# Altium PCB 电源模块.PcbDoc (part 3 of 3)
Units mil, origin at the board's own origin, x right, y up, seen from the top; angles counter-clockwise.
Board outline 3818.05 x 5303.04 mil, 4 copper layers (Top Layer, GND, POWER, Bottom Layer), stack 30.634 mil thick; 232 components, 142 nets, 800 pads, 621 vias.
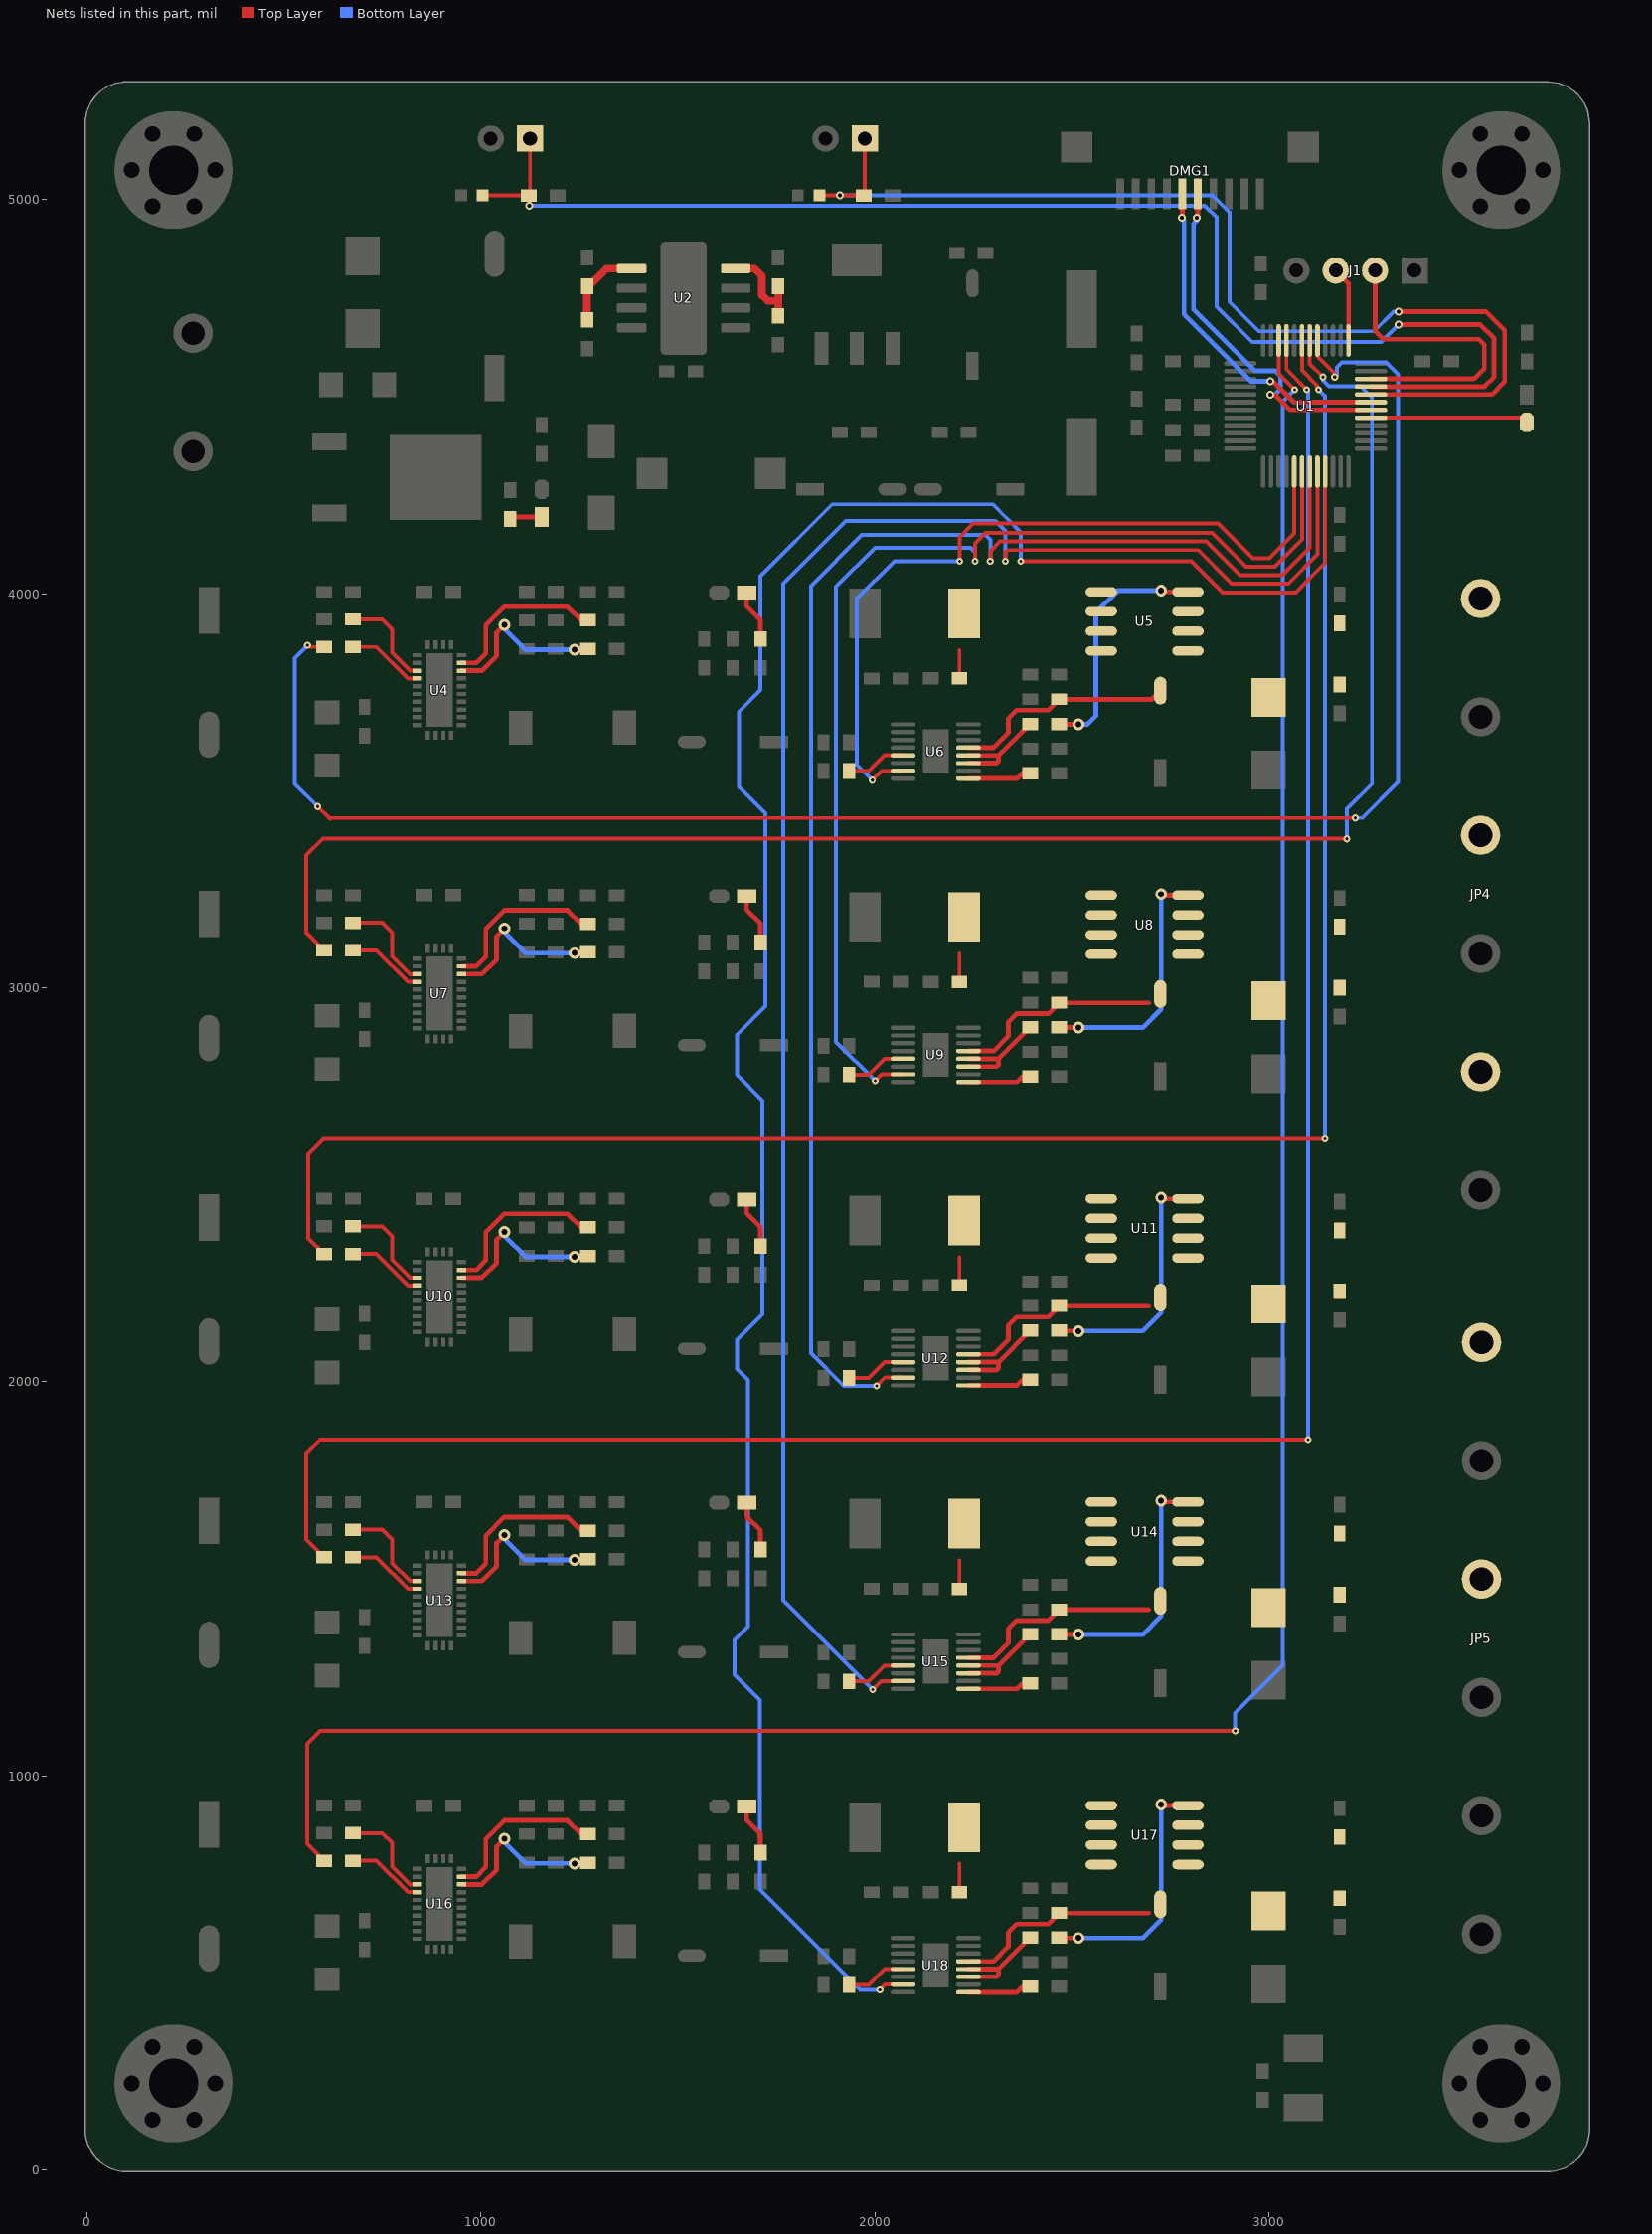
[diagram p5: the nets of this part, all layers, seen from the top]

## Via types
v1: diameter 40, hole 20, Top Layer to Bottom Layer, tented both sides, 472 vias
v2: diameter 30, hole 15, Top Layer to Bottom Layer, tented both sides, 84 vias
v3: diameter 18, hole 8, Top Layer to Bottom Layer, tented both sides, 32 vias
v4: diameter 24, hole 12, Top Layer to Bottom Layer, tented both sides, 20 vias
v5: diameter 20, hole 10, Top Layer to Bottom Layer, tented both sides, 13 vias

## Nets (pads, with @x,y where several pads share a name; then routed paths per layer and width w, separated by ;. In a path a pad name is that pad's centre, name@x,y a point inside that pad or via, vN(x,y) a via of type N, cw(c..) or ccw(c..) an arc to the next point about the centre after c; other vN are vias at no path point) (continued)
NetLED2_1: LED2.1 R5.1 | length 82.1
  Top Layer w12: R5.1@1075,4190 1080,4195 LED2.1@1155,4195
NetLED3_1: LED3.1 R11.1 | length 132.5
  Top Layer w12: LED3.1@1675,4003 1675,3968 1710,3933 R11.1@1710,3885
NetLED4_1: LED4.1 R24.1 | length 132.5
  Top Layer w12: LED4.1@1675,3233 1675,3198 1710,3163 R24.1@1710,3115
NetLED5_1: LED5.1 R37.1 | length 132.5
  Top Layer w12: LED5.1@1675,2463 1675,2428 1710,2393 R37.1@1710,2345
NetLED6_1: LED6.1 R50.1 | length 132.5
  Top Layer w12: LED6.1@1675,1693 1675,1658 1710,1623 R50.1@1710,1575
NetLED7_1: LED7.1 R63.1 | length 132.5
  Top Layer w12: LED7.1@1675,923 1675,888 1710,853 R63.1@1710,805
NetR4_1: R4.1 R8.2 U2.4 | length 245.2
  Top Layer w20: U2.4@1646.89,4825 1695,4825 1714,4806 1714,4758 1729,4743 1755,4743 ; R4.1@1755,4705 1755,4743 ; R8.2@1755,4780 1755,4743
NetR6_2: R6.2 R7.1 U2.5 | length 216.7
  Top Layer w20: R6.2@1270,4695 R7.1@1270,4780 1274,4780 1319,4825 U2.5@1383.11,4825
NetR9_1: R9.1 R13.1 U5.5 U5.6 U5.7 U5.8 | length 72
  Top Layer w10: R13.1@2215,3785 2215,3857
NetR10_1: R10.1 U4.4 | length 197.4
  Top Layer w10: R10.1@675,3865 735,3865 814.85,3785.15 U4.4@839.28,3785.15
NetR10_2: R10.2 U1.41 | length 4632.6
  Top Layer w10: v3(560,3869) 564,3865 R10.2@602,3865 ; v3(586,3460) 617,3429 619,3431 v3(3220,3431) ; U1.41@3123.74,4642.83 3123.74,4601.76 3136.01,4589.5 3136.1,4589.5 3167.5,4558.1 v3(3167.5,4550) v3@3167.5,4546.5
  Bottom Layer w10: v3(560,3869) 528,3837 528,3518 v3(586,3460) ; v3(3167.5,4550) 3172.96,4555.46 3172.54,4555.89 3172.54,4574.11 3185.42,4587 3298,4587 3328,4557 3328,3522 3237,3431 v3(3220,3431)
NetR14_1: R14.1 U5.4 | length 622.6
  Top Layer w12: R14.1@2468,3670 2469,3669 v2(2517,3669) ; v2(2727,4008) 2730,4005 U5.4@2795,4005
  Bottom Layer w12: v2(2517,3669) 2540,3669 2561,3690 2561,3952 2617,4008 v2(2727,4008)
NetR14_2: R14.2 U6.11 U6.12 | length 283.5
  Top Layer w12: U6.11@2237.83,3570.47 2309.47,3570.47 2314.16,3575.16 2314.16,3590.16 ; U6.12@2237.83,3590.16 2314.16,3590.16 ; R14.2@2395,3670 2394,3670 2314.16,3590.16
NetR15_2: R15.2 U4.22 | length 436
  Top Layer w12: U4.22@950.89,3804.84 1002.84,3804.84 1040,3842 1040,3901 v2(1060,3921) ; v2(1238,3858) 1240,3860 R15.2@1272,3860
  Bottom Layer w12: v2(1060,3921) 1060,3912 1114,3858 v2(1238,3858)
NetR16_2: R16.2 U4.23 | length 436
  Top Layer w12: U4.23@950.89,3824.52 988.52,3824.52 1013,3849 1013,3920 1060,3967 1220.13,3967 1254.63,3932.5 R16.2@1272,3932.5
NetR17_1: R17.1 U4.3 | length 253.3
  Top Layer w10: R17.1@675,3935 750,3935 775,3910 775,3850 820.16,3804.84 U4.3@839.28,3804.84
NetR20_2: R20.2 U6.5 | length 153.8
  Top Layer w10: R20.2@1935,3550 1985,3550 2025.16,3590.16 U6.5@2072.17,3590.16
NetR21_2: R21.2 U6.9 | length 162.9
  Top Layer w12: U6.9@2237.83,3531.1 2361.1,3531.1 2375,3545 R21.2@2395,3545
NetR22_1: R22.1 R26.1 U8.5 U8.6 U8.7 U8.8 | length 72
  Top Layer w10: R26.1@2215,3015 2215,3087
NetR23_1: R23.1 U7.4 | length 197.4
  Top Layer w10: R23.1@675,3095 735,3095 814.85,3015.15 U7.4@839.28,3015.15
NetR23_2: R23.2 U1.42 | length 4323.1
  Top Layer w10: R23.2@602,3095 557,3140 557,3337 599,3379 3197,3379 v3(3198,3378) ; U1.42@3104.06,4642.83 3104.06,4583.94 v3(3138,4550)
  Bottom Layer w10: v3(3138,4550) 3138,4542 3153,4527 3233,4527 3262,4498 3262,3518 3198,3454 v3(3198,3378)
NetR27_1: R27.1 U8.4 | length 640.1
  Top Layer w12: R27.1@2468,2900 2469,2899 v2(2517,2899) ; v2(2727,3238) 2730,3235 U8.4@2795,3235
  Bottom Layer w12: v2(2517,2899) 2680,2899 2727,2946 v2(2727,3238)
NetR27_2: R27.2 U9.11 U9.12 | length 283.5
  Top Layer w12: U9.11@2237.83,2800.47 2309.47,2800.47 2314.16,2805.16 2314.16,2820.16 ; U9.12@2237.83,2820.16 2314.16,2820.16 ; R27.2@2395,2900 2394,2900 2314.16,2820.16
NetR28_2: R28.2 U7.22 | length 436
  Top Layer w12: U7.22@950.89,3034.84 1002.84,3034.84 1040,3072 1040,3131 v2(1060,3151) ; v2(1238,3088) 1240,3090 R28.2@1272,3090
  Bottom Layer w12: v2(1060,3151) 1060,3142 1114,3088 v2(1238,3088)
NetR29_2: R29.2 U7.23 | length 436
  Top Layer w12: U7.23@950.89,3054.52 988.52,3054.52 1013,3079 1013,3150 1060,3197 1220.13,3197 1254.63,3162.5 R29.2@1272,3162.5
NetR30_1: R30.1 U7.3 | length 253.3
  Top Layer w10: R30.1@675,3165 750,3165 775,3140 775,3080 820.16,3034.84 U7.3@839.28,3034.84
NetR33_2: R33.2 U9.5 | length 153.8
  Top Layer w10: R33.2@1935,2780 1985,2780 2025.16,2820.16 U9.5@2072.17,2820.16
NetR34_2: R34.2 U9.9 | length 162.9
  Top Layer w12: U9.9@2237.83,2761.1 2361.1,2761.1 2375,2775 R34.2@2395,2775
NetR35_1: R35.1 R39.1 U11.5 U11.6 U11.7 U11.8 | length 72
  Top Layer w10: R39.1@2215,2245 2215,2317
NetR36_1: R36.1 U10.4 | length 197.4
  Top Layer w10: R36.1@675,2325 735,2325 814.85,2245.15 U10.4@839.28,2245.15
NetR36_2: R36.2 U1.43 | length 4918.8
  Top Layer w10: R36.2@602,2325 562,2365 562,2578 601,2617 v3(3143,2617) ; U1.43@3084.37,4642.83 3084.37,4566.63 3123,4528 3123,4519 v3@3126,4516
  Bottom Layer w10: v3(3126,4518) 3143,4501 v3(3143,2617)
NetR40_1: R40.1 U11.4 | length 640.1
  Top Layer w12: R40.1@2468,2130 2469,2129 v2(2517,2129) ; v2(2727,2468) 2730,2465 U11.4@2795,2465
  Bottom Layer w12: v2(2517,2129) 2680,2129 2727,2176 v2(2727,2468)
NetR40_2: R40.2 U12.11 U12.12 | length 283.5
  Top Layer w12: U12.11@2237.83,2030.47 2309.47,2030.47 2314.16,2035.16 2314.16,2050.16 ; U12.12@2237.83,2050.16 2314.16,2050.16 ; R40.2@2395,2130 2394,2130 2314.16,2050.16
NetR41_2: R41.2 U10.22 | length 436
  Top Layer w12: U10.22@950.89,2264.84 1002.84,2264.84 1040,2302 1040,2361 v2(1060,2381) ; v2(1238,2318) 1240,2320 R41.2@1272,2320
  Bottom Layer w12: v2(1060,2381) 1060,2372 1114,2318 v2(1238,2318)
NetR42_2: R42.2 U10.23 | length 436
  Top Layer w12: U10.23@950.89,2284.52 988.52,2284.52 1013,2309 1013,2380 1060,2427 1220.13,2427 1254.63,2392.5 R42.2@1272,2392.5
NetR43_1: R43.1 U10.3 | length 253.3
  Top Layer w10: R43.1@675,2395 750,2395 775,2370 775,2310 820.16,2264.84 U10.3@839.28,2264.84
NetR46_2: R46.2 U12.5 | length 153.8
  Top Layer w10: R46.2@1935,2010 1985,2010 2025.16,2050.16 U12.5@2072.17,2050.16
NetR47_2: R47.2 U12.9 | length 162.9
  Top Layer w12: U12.9@2237.83,1991.1 2361.1,1991.1 2375,2005 R47.2@2395,2005
NetR48_1: R48.1 R52.1 U14.5 U14.6 U14.7 U14.8 | length 72
  Top Layer w10: R52.1@2215,1475 2215,1547
NetR49_1: R49.1 U13.4 | length 197.4
  Top Layer w10: R49.1@675,1555 735,1555 814.85,1475.15 U13.4@839.28,1475.15
NetR49_2: R49.2 U1.45 | length 5651.3
  Top Layer w10: R49.2@602,1555 557,1600 557,1819 591.48,1853.48 v3(3099.48,1853.48) ; U1.45@3045,4642.83 3045,4569 v3(3096,4518)
  Bottom Layer w10: v3(3096,4518) 3099.48,4514.52 v3(3099.48,1853.48)
NetR53_1: R53.1 U14.4 | length 640.1
  Top Layer w12: R53.1@2468,1360 2469,1359 v2(2517,1359) ; v2(2727,1698) 2730,1695 U14.4@2795,1695
  Bottom Layer w12: v2(2517,1359) 2680,1359 2727,1406 v2(2727,1698)
NetR53_2: R53.2 U15.11 U15.12 | length 283.5
  Top Layer w12: U15.11@2237.83,1260.47 2309.47,1260.47 2314.16,1265.16 2314.16,1280.16 ; U15.12@2237.83,1280.16 2314.16,1280.16 ; R53.2@2395,1360 2394,1360 2314.16,1280.16
NetR54_2: R54.2 U13.22 | length 436
  Top Layer w12: U13.22@950.89,1494.84 1002.84,1494.84 1040,1532 1040,1591 v2(1060,1611) ; v2(1238,1548) 1240,1550 R54.2@1272,1550
  Bottom Layer w12: v2(1060,1611) 1060,1602 1114,1548 v2(1238,1548)
NetR55_2: R55.2 U13.23 | length 436
  Top Layer w12: U13.23@950.89,1514.52 988.52,1514.52 1013,1539 1013,1610 1060,1657 1220.13,1657 1254.63,1622.5 R55.2@1272,1622.5
NetR56_1: R56.1 U13.3 | length 253.3
  Top Layer w10: R56.1@675,1625 750,1625 775,1600 775,1540 820.16,1494.84 U13.3@839.28,1494.84
NetR59_2: R59.2 U15.5 | length 153.8
  Top Layer w10: R59.2@1935,1240 1985,1240 2025.16,1280.16 U15.5@2072.17,1280.16
NetR60_2: R60.2 U15.9 | length 162.9
  Top Layer w12: U15.9@2237.83,1221.1 2361.1,1221.1 2375,1235 R60.2@2395,1235
NetR61_1: R61.1 R65.1 U17.5 U17.6 U17.7 U17.8 | length 72
  Top Layer w10: R65.1@2215,705 2215,777
NetR62_1: R62.1 U16.4 | length 197.4
  Top Layer w10: R62.1@675,785 735,785 814.85,705.15 U16.4@839.28,705.15
NetR62_2: R62.2 U1.46 | length 6291.7
  Top Layer w10: R62.2@602,785 559,828 559,1081 592,1114 v3(2915,1114) ; U1.46@3025.32,4642.83 3025.32,4558.68 v3(3066,4518)
  Bottom Layer w10: v3(2915,1114) 2915,1160 3035.48,1280.48 3035.48,4487.48 v3(3066,4518)
NetR66_1: R66.1 U17.4 | length 640.1
  Top Layer w12: R66.1@2468,590 2469,589 v2(2517,589) ; v2(2727,928) 2730,925 U17.4@2795,925
  Bottom Layer w12: v2(2517,589) 2680,589 2727,636 v2(2727,928)
NetR66_2: R66.2 U18.11 U18.12 | length 283.5
  Top Layer w12: U18.11@2237.83,490.47 2309.47,490.47 2314.16,495.16 2314.16,510.16 ; U18.12@2237.83,510.16 2314.16,510.16 ; R66.2@2395,590 2394,590 2314.16,510.16
NetR67_2: R67.2 U16.22 | length 436
  Top Layer w12: U16.22@950.89,724.84 1002.84,724.84 1040,762 1040,821 v2(1060,841) ; v2(1238,778) 1240,780 R67.2@1272,780
  Bottom Layer w12: v2(1060,841) 1060,832 1114,778 v2(1238,778)
NetR68_2: R68.2 U16.23 | length 436
  Top Layer w12: U16.23@950.89,744.52 988.52,744.52 1013,769 1013,840 1060,887 1220.13,887 1254.63,852.5 R68.2@1272,852.5
NetR69_1: R69.1 U16.3 | length 253.3
  Top Layer w10: R69.1@675,855 750,855 775,830 775,770 820.16,724.84 U16.3@839.28,724.84
NetR72_2: R72.2 U18.5 | length 153.8
  Top Layer w10: R72.2@1935,470 1985,470 2025.16,510.16 U18.5@2072.17,510.16
NetR73_2: R73.2 U18.9 | length 162.9
  Top Layer w12: U18.9@2237.83,451.1 2361.1,451.1 2375,465 R73.2@2395,465
NetU1_17: U1.17 U6.7 | length 2008.8
  Top Layer w10: v3(1994,3527) 2017.79,3550.79 U6.7@2072.17,3550.79 ; v3(2215.75,4083) 2215.75,4143.75 2250,4178 2872,4178 2960,4090 3001.79,4090 3064.69,4152.9 U1.17@3064.69,4310
  Bottom Layer w10: v3(1994,3527) 1955,3566 1955,3988 2050,4083 v3(2215.75,4083)
NetU1_18: U1.18 U9.7 | length 2916.6
  Top Layer w10: v3(2001,2764) 2017.79,2780.79 U9.7@2072.17,2780.79 ; v3(2254.5,4083) 2254.5,4128.5 2281,4155 2856,4155 2942,4069 3015.72,4069 3084.37,4137.65 U1.18@3084.37,4310
  Bottom Layer w10: v3(2001,2764) 1902,2863 1902,4018 2001,4117 2243,4117 2254.5,4105.5 v3(2254.5,4083)
NetU1_19: U1.19 U12.7 | length 3895.6
  Top Layer w10: v3(2005,1990) 2025.79,2010.79 U12.7@2072.17,2010.79 ; v3(2293.25,4083) 2293.25,4108.25 2318,4133 2841,4133 2927,4047 3034,4047 3104.06,4117.06 U1.19@3104.06,4310
  Bottom Layer w10: v3(2005,1990) 1921,1990 1838,2073 1838,4020 1967,4149 2281,4149 2293.25,4136.75 v3(2293.25,4083)
NetU1_20: U1.20 U15.7 | length 4796.1
  Top Layer w10: v3(1995,1219) 2016.79,1240.79 U15.7@2072.17,1240.79 ; v3(2332,4083) 2332,4105 2338,4111 2821,4111 2906,4026 3050,4026 3123.74,4099.74 U1.20@3123.74,4310
  Bottom Layer w10: v3(1995,1219) 1768,1446 1768,4026 1927,4185 2306,4185 2332,4159 v3(2332,4083)
NetU1_21: U1.21 U18.7 | length 5902.1
  Top Layer w10: v3(2013,457) 2026.79,470.79 U18.7@2072.17,470.79 ; v3(2370.75,4083) 2803,4083 2883,4003 3068,4003 3143.43,4078.43 U1.21@3143.43,4310
  Bottom Layer w10: v3(2013,457) 1963,457 1708,712 1708,1192.85 1644,1256.85 1644,1345 1678,1379 1678,2005 1650,2033 1650,2107.15 1714.85,2172 1714.85,2714.15 1650,2779 1650,2881 1722,2953 1722,3443 1655,3510 1655,3701 1710,3756 1710,4045 1892,4227 2299.6,4227 2333.6,4193 2334,4193 2370.75,4156.25 v3(2370.75,4083)
POWER1: C25.2 C26.2 C28.1 D4.2 JP4.1 R12.2 U5.1 U5.2 U5.3 U6.13 | length 568.1
  Top Layer w12: U6.13@2237.83,3609.84 2301.84,3609.84 2339,3647 2339,3683 2360.5,3704.5 2440.5,3704.5 2468,3732 2702.67,3732 C25.2@2725,3754.33
POWER2: C42.2 C43.2 C45.1 D5.2 JP4.3 R25.2 U8.1 U8.2 U8.3 U9.13 | length 529.7
  Top Layer w12: U9.13@2237.83,2839.84 2301.84,2839.84 2339,2877 2339,2913 2360.5,2934.5 2440.5,2934.5 2468,2962 2695.84,2962
POWER3: C59.2 C60.2 C62.1 D6.2 JP4.5 R38.2 U11.1 U11.2 U11.3 U12.13 | length 529.7
  Top Layer w12: U12.13@2237.83,2069.84 2301.84,2069.84 2339,2107 2339,2143 2360.5,2164.5 2440.5,2164.5 2468,2192 2695.84,2192
POWER4: C76.2 C77.2 C79.1 D7.2 JP5.1 R51.2 U14.1 U14.2 U14.3 U15.13 | length 529.7
  Top Layer w12: U15.13@2237.83,1299.84 2301.84,1299.84 2339,1337 2339,1373 2360.5,1394.5 2440.5,1394.5 2468,1422 2695.84,1422
POWER5: C93.2 C94.2 C96.1 D8.2 JP5.3 R64.2 U17.1 U17.2 U17.3 U18.13 | length 529.7
  Top Layer w12: U18.13@2237.83,529.84 2301.84,529.84 2339,567 2339,603 2360.5,624.5 2440.5,624.5 2468,652 2695.84,652
RUN_LED: LED1.2 U1.29 | length 400.3
  Top Layer w10: U1.29@3259.63,4446.89 3643.11,4446.89 LED1.2@3655,4435
RXD4: DMG1.6 U1.31 | length 876.1
  Top Layer w12: v5(2779,4954) 2780.63,4955.63 DMG1.6@2780.63,5015 ; v5(3004,4539) 3011,4539 3063.74,4486.26 U1.31@3259.63,4486.26
  Bottom Layer w12: v5(2779,4954) 2785,4948 2785,4709 2955,4539 v5(3004,4539)
SW1: D1.2 JP1.1 R1.2 U1.32 | length 2741.8
  Top Layer w10: D1.2@1860,5011 v5(1912,5011) 1971,5011 R1.2@1972,5010 1975,5013 JP1.1@1975,5155
  Top Layer w12: U1.32@3259.63,4505.94 3566.94,4505.94 3599,4538 3599,4668 3551,4716 v5@3332,4716
  Bottom Layer w10: v5(1912,5011) 2857,5011 2900,4968 2900,4741 2975,4666 3267,4666 3317,4716 v5(3329,4716)
SW2: D9.2 JP3.1 R74.2 U1.33 | length 3467
  Top Layer w10: D9.2@1005,5011 1121,5011 R74.2@1122,5010 ; v5(1123,4985) 1123,5009 R74.2@1122,5010 ; JP3.1@1125,5155 1125,5013 R74.2@1122,5010
  Top Layer w12: U1.33@3259.63,4525.63 3547.63,4525.63 3572,4550 3572,4648 3537,4683 v5(3329,4683)
  Bottom Layer w10: v5(1123,4985) 2838,4985 2868,4955 2868,4729 2958,4639 3285,4639 v5(3329,4683)
SWCLK: J1.3 U1.37 | length 190.6
  Top Layer w12: J1.3@3170,4820 3202.48,4787.52 U1.37@3202.48,4642.83
SWDIO: J1.2 U1.34 | length 802.9
  Top Layer w12: U1.34@3259.63,4545.31 3520.31,4545.31 3547,4572 3547,4632 3533,4646 3291,4646 3270,4667 J1.2@3270,4820
TXD4: DMG1.5 U1.30 | length 918.3
  Top Layer w12: v5(2817,4954) 2820,4957 DMG1.5@2820,5015 ; v5(3004,4505) 3016,4505 3054.43,4466.57 U1.30@3259.63,4466.57
  Bottom Layer w12: v5@2817,4947 2809,4939 2809,4721 2964,4566 3016,4566 3030,4552 3030,4520 3015,4505 v5(3004,4505)
pads on no net: DMG1.4 DMG1.7 U1.2 U1.3 U1.4 U1.10 U1.11 U1.22 U1.25 U1.26 U1.27 U1.28 U1.38 U1.39 U1.40 U2.2 U2.3

## Polygon pours and split planes (outlines as drawn)
GND on Top Layer "Top Layer-No Net" (solid, remove dead copper, pour order 178): -4.01,94 -4.01,99.97 cw(c101.5,101.5) -4.01,103.03 -4.01,5204 cw(c0,5204) -3.24,5206.37 cw(c101.5,5193.5) 89.83,5298.38 cw(c92,5295) 92,5299.01 99.97,5299.01 cw(c101.5,5193.5) 103.03,5299.01 cw(c101.58,5193.45) 103.06,5299.01 103.03,5299.01 3710,5299.01 cw(c3710,5295) 3710.06,5299.01 cw(c3708.5,5193.5) 3814.03,5193.5 cw(c3708.5,5193.5) 3814.01,5191.97 cw(c3708.45,5193.42) 3814.01,5191.94 3814.01,5192 3814.01,100 cw(c3810,100) 3814.01,99.94 cw(c3708.5,101.5) 3706.97,-4.01 cw(c3708.42,101.55) 3706.94,-4.01 3706.97,-4.01 93,-4.01 cw(c93,0) 91.05,-3.51 cw(c101.5,101.5) -3.62,92.27 cw(c0,94)
GND on Top Layer "Top Layer-No Net" (solid, remove dead copper, pour order 172): 3208,530 2591,530 2578,517 2578,465 2578,257 2603,232 2604,231 2820,231 3335,231 3390,286
GND on Top Layer "Top Layer-No Net" (solid, remove dead copper, pour order 170): 3496,993 3665,993 3678,980 3678,887 3678,479 3658,459 3645,446 3565,446 3454,446 3437,446 3418,427 3390,399 3390,285 3376,271 3184,271 3183,272 3169,286 3169,316 3169,505 3211,547 3295,631 3378,631 3417,670 3486,739 3486,830 3486,983 3497,994
3.3V on Top Layer "Top Layer-No Net" (solid, remove dead copper, pour order 168): 1865,4945 2078,4945 2088,4935 2088,4835 2092,4831 2094,4829 2164,4829 2224,4829 2239,4844 2239,4946 2249,4956 2306,4956 2358,4956 2368,4946 2368,4939 2368,4721 2355,4708 2353,4706 2319,4706 2018,4706 1988,4676 1988,4647 1988,4569 1983,4564 1981,4562 1952,4562 1926,4562 1919,4569 1919,4581 1919,4685 1901,4703 1842,4762 1842,4846 1842,4933 1854,4945
+5V on Top Layer "Top Layer-No Net" (solid, remove dead copper, pour order 166): 1665,4410 1778,4410 1785,4403 1788,4400 1788,4375 1788,4208 1799,4197 1800,4196 1834,4196 1935,4196 1948,4209 1948,4466 2002,4520 2002,4594 2002,4676 2011,4685 2013,4687 2039,4687 2075.83,4687 2086.89,4675.94 2091,4671.83 2091,4640 2091,4564 2201,4454 2201,4350 2201,4114 2187,4100 2179,4092 2140,4092 1656,4092 1644,4104 1643,4105 1643,4119 1643,4395 1658,4410
NetC9_2 on Top Layer "Top Layer-No Net" (solid, remove dead copper, pour order 164): 1436.26,4694.74 1336,4695 1335,4694 1335,4674 1335,4572 1328,4565 1238,4475 1238,4425 1238,4292 1249,4281 1326,4281 1370,4281 1378,4273 1378,4249 1385,4242 1426,4242 1497,4242 1497,4596 1486,4596 1454,4596 1444,4606 1436.26,4613.74 1436.26,4641.73
POWER5 on Top Layer "Top Layer-No Net" (solid, remove dead copper, pour order 162): 3221,872 3231,882 3231,925 3231,1328 3316,1413 3511,1608 3594,1608 3630,1572 3630,1427 3630,1420 3507,1297 3481,1271 3467,1257 3467,1210 3467,751 3372,656 3241.46,656
POWER4 on Top Layer "Top Layer-No Net" (solid, remove dead copper, pour order 158): 3224,1641 3236,1653 3236,1720 3236,2135 3247,2146 3352,2146 3387,2181 3431,2225 3548,2225 3609,2225 3626,2208 3627,2207 3627,2100 3627,1982 3608,1963 3607,1962 3590,1962 3467,1962 3451,1946 3451,1895 3451,1589 3401,1539 3287,1425 3223,1425
POWER3 on Top Layer "Top Layer-No Net" (solid, remove dead copper, pour order 156): 3223,2412 3234,2423 3234,2447 3234,2877 3245,2888 3276,2888 3613,2888 3626,2875 3626,2782 3626,2665 3614,2653 3594,2653 3478,2653 3462,2637 3461,2636 3461,2600 3461,2309 3347,2195 3210.57,2195 3206.02,2199.54
GND on Top Layer "Top Layer-No Net" (solid, remove dead copper, pour order 154): 166,4464 343,4464 354,4453 396,4411 398,4411 659,4411 662,4408 663,4407 663,4393 663,4179 660,4176 659,4175 644,4175 178,4175 166,4187 166,4223 166,4452 178,4464
POWER2 on Top Layer "Top Layer-No Net" (solid, remove dead copper, pour order 152): 3232,3182 3254,3204 3254,3303 3254,3505 3283,3534 3337,3534 3610,3534 3628,3516 3628,3479 3628,3269 3612,3253 3602,3253 3482,3253 3468,3239 3467,3238 3467,3116 3467,2996 3451,2980 3437,2966 3241.46,2966
POWER5 on Top Layer "Top Layer-No Net" (solid, remove dead copper, pour order 150): 2709,901 3128,901 3157,872 3202,872 3244,872 3245,656 3169,656 3138,656 3097,615 3056,574 2941,574 2680,574 2659,595 2659,680 2659,885 2674,900
POWER4 on Top Layer "Top Layer-No Net" (solid, remove dead copper, pour order 148): 2709,1671 3128,1671 3157,1642 3202,1642 3244,1642 3245,1426 3169,1426 3138,1426 3097,1385 3056,1344 2941,1344 2680,1344 2659,1365 2659,1450 2659,1655 2674,1670
POWER3 on Top Layer "Top Layer-No Net" (solid, remove dead copper, pour order 146): 2709,2441 3128,2441 3157,2412 3202,2412 3244,2412 3245,2196 3169,2196 3138,2196 3097,2155 3056,2114 2941,2114 2680,2114 2659,2135 2659,2220 2659,2425 2674,2440
POWER2 on Top Layer "Top Layer-No Net" (solid, remove dead copper, pour order 138): 2709,3211 3128,3211 3157,3182 3202,3182 3244,3182 3245,2966 3169,2966 3138,2966 3097,2925 3056,2884 2941,2884 2680,2884 2659,2905 2659,2990 2659,3195 2674,3210
GND on Top Layer "Top Layer-No Net" (solid, remove dead copper, pour order 136): 825,1560.48 825,1625 830,1630 930,1630 935,1625 935,1595 935,1560.48
GND on Top Layer "Top Layer-No Net" (solid, remove dead copper, pour order 134): 828,1402 808,1402 802,1396 793,1387 793,1362 793,1274 801,1266 830,1266 922,1266 930,1274 930,1279 930,1397 927,1402
GND on Top Layer "Top Layer-No Net" (solid, remove dead copper, pour order 132): 825,790.48 825,855 830,860 930,860 935,855 935,825 935,790.48
GND on Top Layer "Top Layer-No Net" (solid, remove dead copper, pour order 130): 828,632 808,632 802,626 793,617 793,592 793,504 801,496 830,496 922,496 930,504 930,509 930,627 927,632
GND on Top Layer "Top Layer-No Net" (solid, remove dead copper, pour order 128): 825,2330.48 825,2395 830,2400 930,2400 935,2395 935,2365 935,2330.48
GND on Top Layer "Top Layer-No Net" (solid, remove dead copper, pour order 126): 828,2172 808,2172 802,2166 793,2157 793,2132 793,2044 801,2036 830,2036 922,2036 930,2044 930,2049 930,2167 927,2172
GND on Top Layer "Top Layer-No Net" (solid, remove dead copper, pour order 124): 825,3100.48 825,3165 830,3170 930,3170 935,3165 935,3135 935,3100.48
GND on Top Layer "Top Layer-No Net" (solid, remove dead copper, pour order 122): 828,2942 808,2942 802,2936 793,2927 793,2902 793,2814 801,2806 830,2806 922,2806 930,2814 930,2819 930,2937 927,2942
NetC12_1 on Top Layer "Top Layer-No Net" (solid, remove dead copper, pour order 112): 219,1155 512,1155 532.28,1134.72 532.28,1118.28 532.28,905 532.28,750 542.28,740 547.28,735 582.28,735 767.28,735 772.28,730 812.28,690 837.14,690 841.56,685.47 841.56,665.78 841.56,646.09 835.46,640 827.28,640 807.28,640 802.28,635 762.28,595 712.28,595 682.28,595 677.28,590 647.28,560 602.28,560 417.28,560 402.28,575 402.28,635 387.28,650 337.28,650 212.28,650 197.28,665 197.28,710 197.28,1133.28
NetC12_1 on Top Layer "Top Layer-No Net" (solid, remove dead copper, pour order 110): 219,1925 512,1925 532.28,1904.72 532.28,1888.28 532.28,1675 532.28,1520 542.28,1510 547.28,1505 582.28,1505 767.28,1505 772.28,1500 812.28,1460 837.14,1460 841.56,1455.47 841.56,1435.78 841.56,1416.09 835.46,1410 827.28,1410 807.28,1410 802.28,1405 762.28,1365 712.28,1365 682.28,1365 677.28,1360 647.28,1330 602.28,1330 417.28,1330 402.28,1345 402.28,1405 387.28,1420 337.28,1420 212.28,1420 197.28,1435 197.28,1480 197.28,1903.28
NetC12_1 on Top Layer "Top Layer-No Net" (solid, remove dead copper, pour order 108): 219,2695 512,2695 532.28,2674.72 532.28,2658.28 532.28,2445 532.28,2290 542.28,2280 547.28,2275 582.28,2275 767.28,2275 772.28,2270 812.28,2230 837.14,2230 841.56,2225.47 841.56,2205.78 841.56,2186.09 835.46,2180 827.28,2180 807.28,2180 802.28,2175 762.28,2135 712.28,2135 682.28,2135 677.28,2130 647.28,2100 602.28,2100 417.28,2100 402.28,2115 402.28,2175 387.28,2190 337.28,2190 212.28,2190 197.28,2205 197.28,2250 197.28,2673.28
NetC12_1 on Top Layer "Top Layer-No Net" (solid, remove dead copper, pour order 106): 219,3465 512,3465 532.28,3444.72 532.28,3428.28 532.28,3215 532.28,3060 542.28,3050 547.28,3045 582.28,3045 767.28,3045 772.28,3040 812.28,3000 837.14,3000 841.56,2995.47 841.56,2975.78 841.56,2956.09 835.46,2950 827.28,2950 807.28,2950 802.28,2945 762.28,2905 712.28,2905 682.28,2905 677.28,2900 647.28,2870 602.28,2870 417.28,2870 402.28,2885 402.28,2945 387.28,2960 337.28,2960 212.28,2960 197.28,2975 197.28,3020 197.28,3443.28
NetC86_1 on Top Layer "Top Layer-No Net" (solid, remove dead copper, pour order 104): 941,673 1226,673 1235,664 1235,630 1235,454 1224,443 1187,443 953,443 938.78,457.22
NetR61_1 on Top Layer "Top Layer-No Net" (solid, remove dead copper, pour order 102): 2135,977 2633,977 2645,965 2645,940 2645,755 2633,743 2621,743 2136,743 2128,751 2128,784 2128,970
NetC90_2 on Top Layer "Top Layer-No Net" (solid, remove dead copper, pour order 100): 1283,674 1300,674 1306,680 1308,682 1308,726 1308,965 1315,972 1346,972 1384,972 1392,964 1392,930 1392,778 1402,768 1417,768 1734,768 1746,780 1746,886 1746,965 1757,976 1822,976 2052,976 2065,963 2066,962 2066,945 2066,781 2058,773 2038,753 2038,722 2038,601 2058.39,580.61 2058,565 2016,565 1983,598 1974,607 1703,607 1680,607 1667,594 1662,589 1662,558 1662,454 1652,444 1626,444 1277,444 1268,453 1268,497 1268,666 1276,674
NetC69_1 on Top Layer "Top Layer-No Net" (solid, remove dead copper, pour order 98): 941,1443 1226,1443 1235,1434 1235,1400 1235,1224 1224,1213 1187,1213 953,1213 938.78,1227.22
NetR48_1 on Top Layer "Top Layer-No Net" (solid, remove dead copper, pour order 96): 2135,1747 2633,1747 2645,1735 2645,1710 2645,1525 2633,1513 2621,1513 2136,1513 2128,1521 2128,1554 2128,1740
NetC73_2 on Top Layer "Top Layer-No Net" (solid, remove dead copper, pour order 94): 1283,1444 1300,1444 1306,1450 1308,1452 1308,1496 1308,1735 1315,1742 1346,1742 1384,1742 1392,1734 1392,1700 1392,1548 1402,1538 1417,1538 1734,1538 1746,1550 1746,1656 1746,1735 1757,1746 1822,1746 2052,1746 2065,1733 2066,1732 2066,1715 2066,1551 2058,1543 2038,1523 2038,1492 2038,1371 2058.39,1350.61 2058,1335 2016,1335 1983,1368 1974,1377 1703,1377 1680,1377 1667,1364 1662,1359 1662,1328 1662,1224 1652,1214 1626,1214 1277,1214 1268,1223 1268,1267 1268,1436 1276,1444
NetC52_1 on Top Layer "Top Layer-No Net" (solid, remove dead copper, pour order 92): 941,2213 1226,2213 1235,2204 1235,2170 1235,1994 1224,1983 1187,1983 953,1983 938.78,1997.22
NetR35_1 on Top Layer "Top Layer-No Net" (solid, remove dead copper, pour order 90): 2135,2517 2633,2517 2645,2505 2645,2480 2645,2295 2633,2283 2621,2283 2136,2283 2128,2291 2128,2324 2128,2510
NetC56_2 on Top Layer "Top Layer-No Net" (solid, remove dead copper, pour order 88): 1283,2214 1300,2214 1306,2220 1308,2222 1308,2266 1308,2505 1315,2512 1346,2512 1384,2512 1392,2504 1392,2470 1392,2318 1402,2308 1417,2308 1734,2308 1746,2320 1746,2426 1746,2505 1757,2516 1822,2516 2052,2516 2065,2503 2066,2502 2066,2485 2066,2321 2058,2313 2038,2293 2038,2262 2038,2141 2058.39,2120.61 2058,2105 2016,2105 1983,2138 1974,2147 1703,2147 1680,2147 1667,2134 1662,2129 1662,2098 1662,1994 1652,1984 1626,1984 1277,1984 1268,1993 1268,2037 1268,2206 1276,2214
NetC39_2 on Top Layer "Top Layer-No Net" (solid, remove dead copper, pour order 74): 1283,2984 1300,2984 1306,2990 1308,2992 1308,3036 1308,3275 1315,3282 1346,3282 1384,3282 1392,3274 1392,3240 1392,3088 1402,3078 1417,3078 1734,3078 1746,3090 1746,3196 1746,3275 1757,3286 1822,3286 2052,3286 2065,3273 2066,3272 2066,3255 2066,3091 2058,3083 2038,3063 2038,3032 2038,2911 2058.39,2890.61 2058,2875 2016,2875 1983,2908 1974,2917 1703,2917 1680,2917 1667,2904 1662,2899 1662,2868 1662,2764 1652,2754 1626,2754 1277,2754 1268,2763 1268,2807 1268,2976 1276,2984
NetR22_1 on Top Layer "Top Layer-No Net" (solid, remove dead copper, pour order 72): 2135,3287 2633,3287 2645,3275 2645,3250 2645,3065 2633,3053 2621,3053 2136,3053 2128,3061 2128,3094 2128,3280
NetC35_1 on Top Layer "Top Layer-No Net" (solid, remove dead copper, pour order 66): 941,2983 1226,2983 1235,2974 1235,2940 1235,2764 1224,2753 1187,2753 953,2753 938.78,2767.22
POWER1 on Top Layer "Top Layer-No Net" (solid, remove dead copper, pour order 16): 2709,3981 3128,3981 3157,3952 3202,3952 3223,3973 3223,4091.57 3235,4107 3357,4107 3568,4107 3608,4107 3617,4098 3629,4086 3629,4056 3629,3891.73 3608,3867.5 3475.5,3867.5 3460,3852 3460,3736 3169,3736 3138,3736 3097,3695 3056,3654 2941,3654 2680,3654 2659,3675 2659,3760 2659,3965 2674,3980
NetR9_1 on Top Layer "Top Layer-No Net" (solid, remove dead copper, pour order 14): 2135,4057 2633,4057 2645,4045 2645,4020 2645,3835 2633,3823 2621,3823 2136,3823 2128,3831 2128,3864 2128,4050
NetC22_2 on Top Layer "Top Layer-No Net" (solid, remove dead copper, pour order 12): 1283,3754 1300,3754 1306,3760 1308,3762 1308,3806 1308,4045 1315,4052 1346,4052 1384,4052 1392,4044 1392,4010 1392,3858 1402,3848 1417,3848 1734,3848 1746,3860 1746,3966 1746,4045 1757,4056 1822,4056 2052,4056 2065,4043 2066,4042 2066,4025 2066,3861 2058,3853 2038,3833 2038,3802 2038,3681 2058.39,3660.61 2058,3645 2016,3645 1983,3678 1974,3687 1703,3687 1680,3687 1667,3674 1662,3669 1662,3638 1662,3534 1652,3524 1626,3524 1277,3524 1268,3533 1268,3577 1268,3746 1276,3754
NetC18_1 on Top Layer "Top Layer-No Net" (solid, remove dead copper, pour order 10): 941,3753 1226,3753 1235,3744 1235,3710 1235,3534 1224,3523 1187,3523 953,3523 938.78,3537.22
NetFU1_1 on Top Layer "Top Layer-No Net" (solid, remove dead copper, pour order 6): 186,4795 567,4795 582,4780 599,4763 599,4668 599,4623 647,4575 664,4558 664,4495 664,4442 664,4435 658,4429 655,4426 631,4426 403,4426 375,4454 375,4496 375,4504 365,4514 361,4518 319,4518 179,4518 164,4533 162,4535 162,4558 162,4778 179,4795
GND on Top Layer "Top Layer-No Net" (solid, remove dead copper, pour order 4): 828,3712 808,3712 802,3706 793,3697 793,3672 793,3584 801,3576 830,3576 922,3576 930,3584 930,3589 930,3707 927,3712
GND on Top Layer "Top Layer-No Net" (solid, remove dead copper, pour order 2): 825,3870.48 825,3935 830,3940 930,3940 935,3935 935,3905 935,3870.48
NetC12_1 on Top Layer "Top Layer-No Net" (solid, remove dead copper, pour order 0): 630,4765 1180,4765 1200,4745 1200,4665 1200,4395 1195,4390 1150,4390 1120,4390 1115,4385 1115,4360 1115,4240 1110,4235 1090,4235 1045,4235 1040,4230 1040,4175 1040,4065 1030,4055 1025,4050 995,4050 545,4050 530,4035 530,3985 530,3830 540,3820 545,3815 580,3815 765,3815 770,3810 810,3770 834.87,3770 839.28,3765.47 839.28,3745.78 839.28,3726.09 833.18,3720 825,3720 805,3720 800,3715 760,3675 710,3675 680,3675 675,3670 645,3640 600,3640 415,3640 400,3655 400,3715 385,3730 335,3730 210,3730 195,3745 195,3790 195,4125 215,4145 225,4155 235,4155 670,4155 685,4170 685,4220 685,4565 675,4575 630,4620 630,4735 630,4750 645,4765
GND on Bottom Layer "Top Layer-No Net" (solid, remove dead copper, pour order 180): -4.01,94 -4.01,99.97 cw(c101.5,101.5) -4.01,103.03 -4.01,5204 cw(c0,5204) -3.24,5206.37 cw(c101.5,5193.5) 89.83,5298.38 cw(c92,5295) 92,5299.01 99.97,5299.01 cw(c101.5,5193.5) 103.03,5299.01 cw(c101.58,5193.45) 103.06,5299.01 103.03,5299.01 3710,5299.01 cw(c3710,5295) 3710.06,5299.01 cw(c3708.5,5193.5) 3814.03,5193.5 cw(c3708.5,5193.5) 3814.01,5191.97 cw(c3708.45,5193.42) 3814.01,5191.94 3814.01,5192 3814.01,100 cw(c3810,100) 3814.01,99.94 cw(c3708.5,101.5) 3706.97,-4.01 cw(c3708.42,101.55) 3706.94,-4.01 3706.97,-4.01 93,-4.01 cw(c93,0) 91.05,-3.51 cw(c101.5,101.5) -3.62,92.27 cw(c0,94)
NetC12_1 on POWER (split plane): 2097.91,4089 2098.26,4086.39 2099.26,4083.96 2100.87,4081.87 2169.87,4012.87 2171.96,4011.26 2173.68,4010.55 2174.39,4010.26 2177,4009.91 3753.92,4009.91 3753.92,100.83 3749.66,100.89 3749.29,100 3753.92,100 3753.92,99.97 3753.92,99.94 3753.92,99.93 3753.63,95.56 3752.47,89.72 3750.56,84.08 3747.92,78.74 3744.62,73.79 3740.69,69.31 3736.21,65.38 3731.26,62.08 3725.92,59.44 3720.28,57.53 3714.44,56.37 3708.86,56 3707.8,56.07 3707.78,56.07 3707.37,56.06 3706.97,56.08 3706.95,56.08 3706.94,56.08 3706.93,56.08 104.17,56.08 93,60.71 93,56.87 89.72,57.53 84.08,59.44 78.74,62.08 73.79,65.38 69.31,69.31 65.38,73.79 62.08,78.74 59.44,84.08 57.53,89.72 56.68,94 60.71,94 56.08,105.17 56.08,5192.83 60.71,5204 57.27,5204 57.53,5205.28 59.44,5210.92 62.08,5216.26 65.38,5221.21 69.31,5225.69 73.79,5229.62 78.74,5232.92 84.08,5235.56 89.72,5237.47 92,5237.93 92,5234.29 103.17,5238.92 2097.91,5238.92
3.3V on POWER (split plane): 3710.06,5238.92 3710.07,5238.92 3714.44,5238.63 3720.28,5237.47 3725.92,5235.56 3731.26,5232.92 3736.21,5229.62 3740.69,5225.69 3744.62,5221.21 3747.92,5216.26 3750.56,5210.92 3752.47,5205.28 3753.63,5199.44 3753.97,5194.26 3753.93,5193.5 3753.96,5193 3753.92,5192.41 3753.92,5192.35 3753.93,5192.17 3753.92,5192 3753.92,5191.95 3753.92,5191.94 3753.92,5191.93 3753.92,4030.09 2181.18,4030.09 2118.09,4093.18 2118.09,5238.92 3709.17,5238.92 3709.11,5234.66 3710,5234.29 3710,5238.92 3710.03,5238.92
NetC12_1 on POWER (split plane): 96.48,5238.66 95.36,5238.6 95.56,5238.63 96.47,5238.69
GND on GND (split plane): 102.28,5278.97 102.75,5278.92 102.78,5278.92 102.91,5278.93 103.03,5278.92 103.06,5278.92 3709.76,5278.92 3709.74,5277.7 3710,5277.59 3710,5278.92 3710.03,5278.92 3710.06,5278.92 3710.21,5278.93 3715.95,5278.68 3723.35,5277.71 3730.63,5276.09 3737.75,5273.85 3744.64,5271 3751.25,5267.55 3757.55,5263.54 3763.46,5259 3768.96,5253.96 3774,5248.46 3778.54,5242.55 3782.55,5236.25 3786,5229.64 3788.85,5222.75 3791.09,5215.63 3792.71,5208.35 3793.68,5200.95 3793.98,5194.05 3793.93,5193.5 3793.98,5192.95 3793.97,5192.61 3793.92,5192.14 3793.92,5192.08 3793.92,5192.04 3793.92,5192 3793.92,5191.94 3793.92,100.24 3792.7,100.26 3792.59,100 3793.92,100 3793.92,99.97 3793.92,99.94 3793.93,99.79 3793.68,94.05 3792.71,86.65 3791.09,79.37 3788.85,72.25 3786,65.36 3782.55,58.75 3778.54,52.45 3774,46.54 3768.96,41.04 3763.46,36 3757.55,31.46 3751.25,27.45 3744.64,24 3737.75,21.15 3730.63,18.91 3723.35,17.29 3715.95,16.32 3708.5,15.99 3707.72,16.03 3707.25,16.08 3707.22,16.08 3707.09,16.07 3706.97,16.08 3706.94,16.08 96.21,16.08 93,17.41 93,16.46 86.65,17.29 79.37,18.91 72.25,21.15 65.36,24 58.75,27.45 52.45,31.46 46.54,36 41.04,41.04 36,46.54 31.46,52.45 27.45,58.75 24,65.36 21.15,72.25 18.91,79.37 17.29,86.65 16.32,94 17.41,94 16.08,97.21 16.08,99.97 16.04,100.38 15.99,101.5 16.04,102.62 16.08,103.03 16.08,5200.79 17.41,5204 16.72,5204 17.29,5208.35 18.91,5215.63 21.15,5222.75 24,5229.64 27.45,5236.25 31.46,5242.55 36,5248.46 41.04,5253.96 46.54,5259 52.45,5263.54 58.75,5267.55 65.36,5271 72.25,5273.85 79.37,5276.09 86.65,5277.71 92,5278.41 92,5277.59 95.21,5278.92 99.97,5278.92 100.38,5278.96 101.5,5279.01
GND on GND (split plane): 92.04,5278.5 93.75,5278.67

## Keep-outs
Keep-Out Layer:
  lines w8: 0,94 0,5204 ; 0,103 ccw(c101.5,101.5) 100,0 ; 0,5195 cw(c101.5,5193.5) 103,5295 ; 92,5295 3710,5295 cw(c3708.5,5193.5) 3810,5192 3810,100 cw(c3708.5,101.5) 3707,0 ; 93,0 3708,0

## Other copper
Top Layer:
  rectangle net GND: 3470,514 3642,678
  rectangle net GND: 3486,814 3621,969
  rectangle net NetC9_2: 1336,4641.73 1436.26,4695
  rectangle net GND: 192,4300 350,4439
  rectangle net GND: 840,1560.48 865.56,1590
  rectangle net GND: 905,1560 935,1590
  rectangle net GND: 817.76,1387 839.28,1402
  rectangle net GND: 811,1339 839,1350
  rectangle net GND: 839,1305 865.56,1330.76
  rectangle net GND: 865.56,1309.25 930,1330.76
  rectangle net GND: 840,790.48 865.56,820
  rectangle net GND: 905,790 935,820
  rectangle net GND: 817.76,617 839.28,632
  rectangle net GND: 811,569 839,580
  rectangle net GND: 839,535 865.56,560.76
  rectangle net GND: 865.56,539.25 930,560.76
  rectangle net GND: 840,2330.48 865.56,2360
  rectangle net GND: 905,2330 935,2360
  rectangle net GND: 817.76,2157 839.28,2172
  rectangle net GND: 811,2109 839,2120
  rectangle net GND: 839,2075 865.56,2100.76
  rectangle net GND: 865.56,2079.25 930,2100.76
  rectangle net GND: 840,3100.48 865.56,3130
  rectangle net GND: 905,3100 935,3130
  rectangle net GND: 817.76,2927 839.28,2942
  rectangle net GND: 811,2879 839,2890
  rectangle net GND: 839,2845 865.56,2870.76
  rectangle net GND: 865.56,2849.25 930,2870.76
  rectangle net NetC12_1: 810,645 850,685.47
  rectangle net NetC12_1: 810,1415 850,1455.47
  rectangle net NetC12_1: 810,2185 850,2225.47
  rectangle net NetC12_1: 810,2955 850,2995.47
  rectangle net POWER5: 2736,732 2891,901
  rectangle net NetC90_2: 1310,512 1419,644
  rectangle net NetR61_1: 2513,748 2629,956
  rectangle net NetC90_2: 1897,781 2039,954
  rectangle net NetR61_1: 2163,782 2318,954
  rectangle net NetC90_2: 2021.1,569.21 2072.17,588.9
  rectangle net NetC90_2: 2021.1,576.4 2072.17,588.9
  rectangle net NetC86_1: 940,512 989,663
  rectangle net NetC86_1: 1047,498 1167,649
  rectangle net NetC86_1: 950.89,652 985,665.78
  rectangle net NetC86_1: 960,564 980,589
  rectangle net POWER4: 2736,1502 2891,1671
  rectangle net NetC73_2: 1310,1282 1419,1414
  rectangle net NetR48_1: 2513,1518 2629,1726
  rectangle net NetC73_2: 1897,1551 2039,1724
  rectangle net NetR48_1: 2163,1552 2318,1724
  rectangle net NetC73_2: 2021.1,1339.21 2072.17,1358.9
  rectangle net NetC73_2: 2021.1,1346.4 2072.17,1358.9
  rectangle net NetC69_1: 940,1282 989,1433
  rectangle net NetC69_1: 1047,1268 1167,1419
  rectangle net NetC69_1: 950.89,1422 985,1435.78
  rectangle net NetC69_1: 960,1334 980,1359
  rectangle net POWER3: 2736,2272 2891,2441
  rectangle net NetC56_2: 1310,2052 1419,2184
  rectangle net NetR35_1: 2513,2288 2629,2496
  rectangle net NetC56_2: 1897,2321 2039,2494
  rectangle net NetR35_1: 2163,2322 2318,2494
  rectangle net NetC56_2: 2021.1,2109.21 2072.17,2128.9
  rectangle net NetC56_2: 2021.1,2116.4 2072.17,2128.9
  rectangle net NetC52_1: 940,2052 989,2203
  rectangle net NetC52_1: 1047,2038 1167,2189
  rectangle net NetC52_1: 950.89,2192 985,2205.78
  rectangle net NetC52_1: 960,2104 980,2129
  rectangle net NetC35_1: 960,2874 980,2899
  rectangle net NetC35_1: 950.89,2962 985,2975.78
  rectangle net NetC35_1: 1047,2808 1167,2959
  rectangle net NetC35_1: 940,2822 989,2973
  rectangle net NetC39_2: 2021.1,2886.4 2072.17,2898.9
  rectangle net NetC39_2: 2021.1,2879.21 2072.17,2898.9
  rectangle net NetR22_1: 2163,3092 2318,3264
  rectangle net NetC39_2: 1897,3091 2039,3264
  rectangle net NetR22_1: 2513,3058 2629,3266
  rectangle net NetC39_2: 1310,2822 1419,2954
  rectangle net POWER2: 2736,3042 2891,3211
  rectangle net POWER1: 3454,3913 3611,4058
  rectangle net POWER1: 2736,3812 2891,3981
  rectangle net NetC22_2: 1310,3592 1419,3724
  rectangle net NetR9_1: 2513,3828 2629,4036
  rectangle net NetC22_2: 1897,3861 2039,4034
  rectangle net NetR9_1: 2163,3862 2318,4034
  rectangle net NetC22_2: 2021.1,3649.21 2072.17,3668.9
  rectangle net NetC22_2: 2021.1,3656.4 2072.17,3668.9
  rectangle net NetC18_1: 940,3592 989,3743
  rectangle net NetC18_1: 1047,3578 1167,3729
  rectangle net NetC18_1: 950.89,3732 985,3745.78
  rectangle net NetC18_1: 960,3644 980,3669
  rectangle net NetC12_1: 708,4480 822,4583
  rectangle net NetFU1_1: 632.5,4556 652,4571.5
  rectangle net NetFU1_1: 632.5,4560 644,4571.5
  rectangle net NetFU1_1: 610,4473 664,4561
  rectangle net NetFU1_1: 555,4471 629,4588
  rectangle net NetFU1_1: 191,4598 355,4743
  rectangle net GND: 865.56,3619.25 930,3640.76
  rectangle net GND: 839,3615 865.56,3640.76
  rectangle net GND: 811,3649 839,3660
  rectangle net GND: 817.76,3697 839.28,3712
  rectangle net GND: 905,3870 935,3900
  rectangle net GND: 840,3870.48 865.56,3900
  rectangle net NetC12_1: 810,3725 850,3765.47
  rectangle net GND: 828,2308 851,2325
  rectangle net GND: 828,1538 851,1555
  rectangle net GND: 828,768 851,785
  rectangle net GND: 828,3078 851,3095
  rectangle net GND: 828,3848 851,3865
  rectangle net POWER4: 3459,2008 3611,2176
  rectangle net POWER5: 3478,1423 3608,1565
  rectangle net POWER3: 3467,2715 3609,2864
  rectangle net POWER2: 3460,3312 3603,3479
Bottom Layer:
  rectangle net GND: 192,4293 346,4439
POWER (plane layer: these items are gaps in the copper):
  lines w20: 2105,5346 2108,5343 2108,4089 2177,4020 2478,4020 ; 2186,4020 3856,4020

## Silkscreen, mask and mechanical layers (free items; w line width, h text height)
Top Overlay:
  lines w50: 0,94 0,5204 ; 0,103 ccw(c101.5,101.5) 100,0 ; 0,5195 cw(c101.5,5193.5) 103,5295 ; 92,5295 3710,5295 cw(c3708.5,5193.5) 3810,5192 3810,100 cw(c3708.5,101.5) 3707,0 ; 93,0 3708,0
  text "GND" at 795.17,5129 h80
  text "GND" at 1654.18,5129 h80
  text "启动" at 760.47,5061.55 h80
  text "急停" at 1621.18,5058 h80
  text "GND" at 3086,4895 h80 r90
  text "CLK" at 3189.98,4895 h80 r90
  text "DIO" at 3293.95,4895 h80 r90
  text "3.3V" at 3398,4895 h80 r90
  text "输入5.5V-36V" at 55,4855 h80
  text "输出5V—MAX6A" at 3266,4187 h80
  text "2021/4/27—V1.0" at 613,139 h300
Bottom Overlay:
  lines w50: 0,94 0,5204 ; 0,103 ccw(c101.5,101.5) 100,0 ; 0,5195 cw(c101.5,5193.5) 103,5295 ; 92,5295 3710,5295 cw(c3708.5,5193.5) 3810,5192 3810,100 cw(c3708.5,101.5) 3707,0 ; 93,0 3708,0
  text "POWER1" at 3380,3951 h150
  text "LED1" at 3230.37,3647.11 h150
  text "POWER2" at 3380.14,3347.11 h150
  text "LED2" at 3230.51,3044.33 h150
  text "POWER3" at 3380.14,2741.55 h150
  text "LED3" at 3230.51,2438.78 h150
  text "POWER4" at 3380.14,2051.67 h150
  text "LED4" at 3230.51,1750.73 h150
  text "POWER5" at 3380.14,1449.8 h150
  text "LED5" at 3230.51,1148.87 h150
  text "GND" at 3180.68,846.27 h150
  text "GND" at 3180.68,547 h150